# Altium PCB Thunderscope_Rev2.PCBDOC (part 4 of 6) (continued)
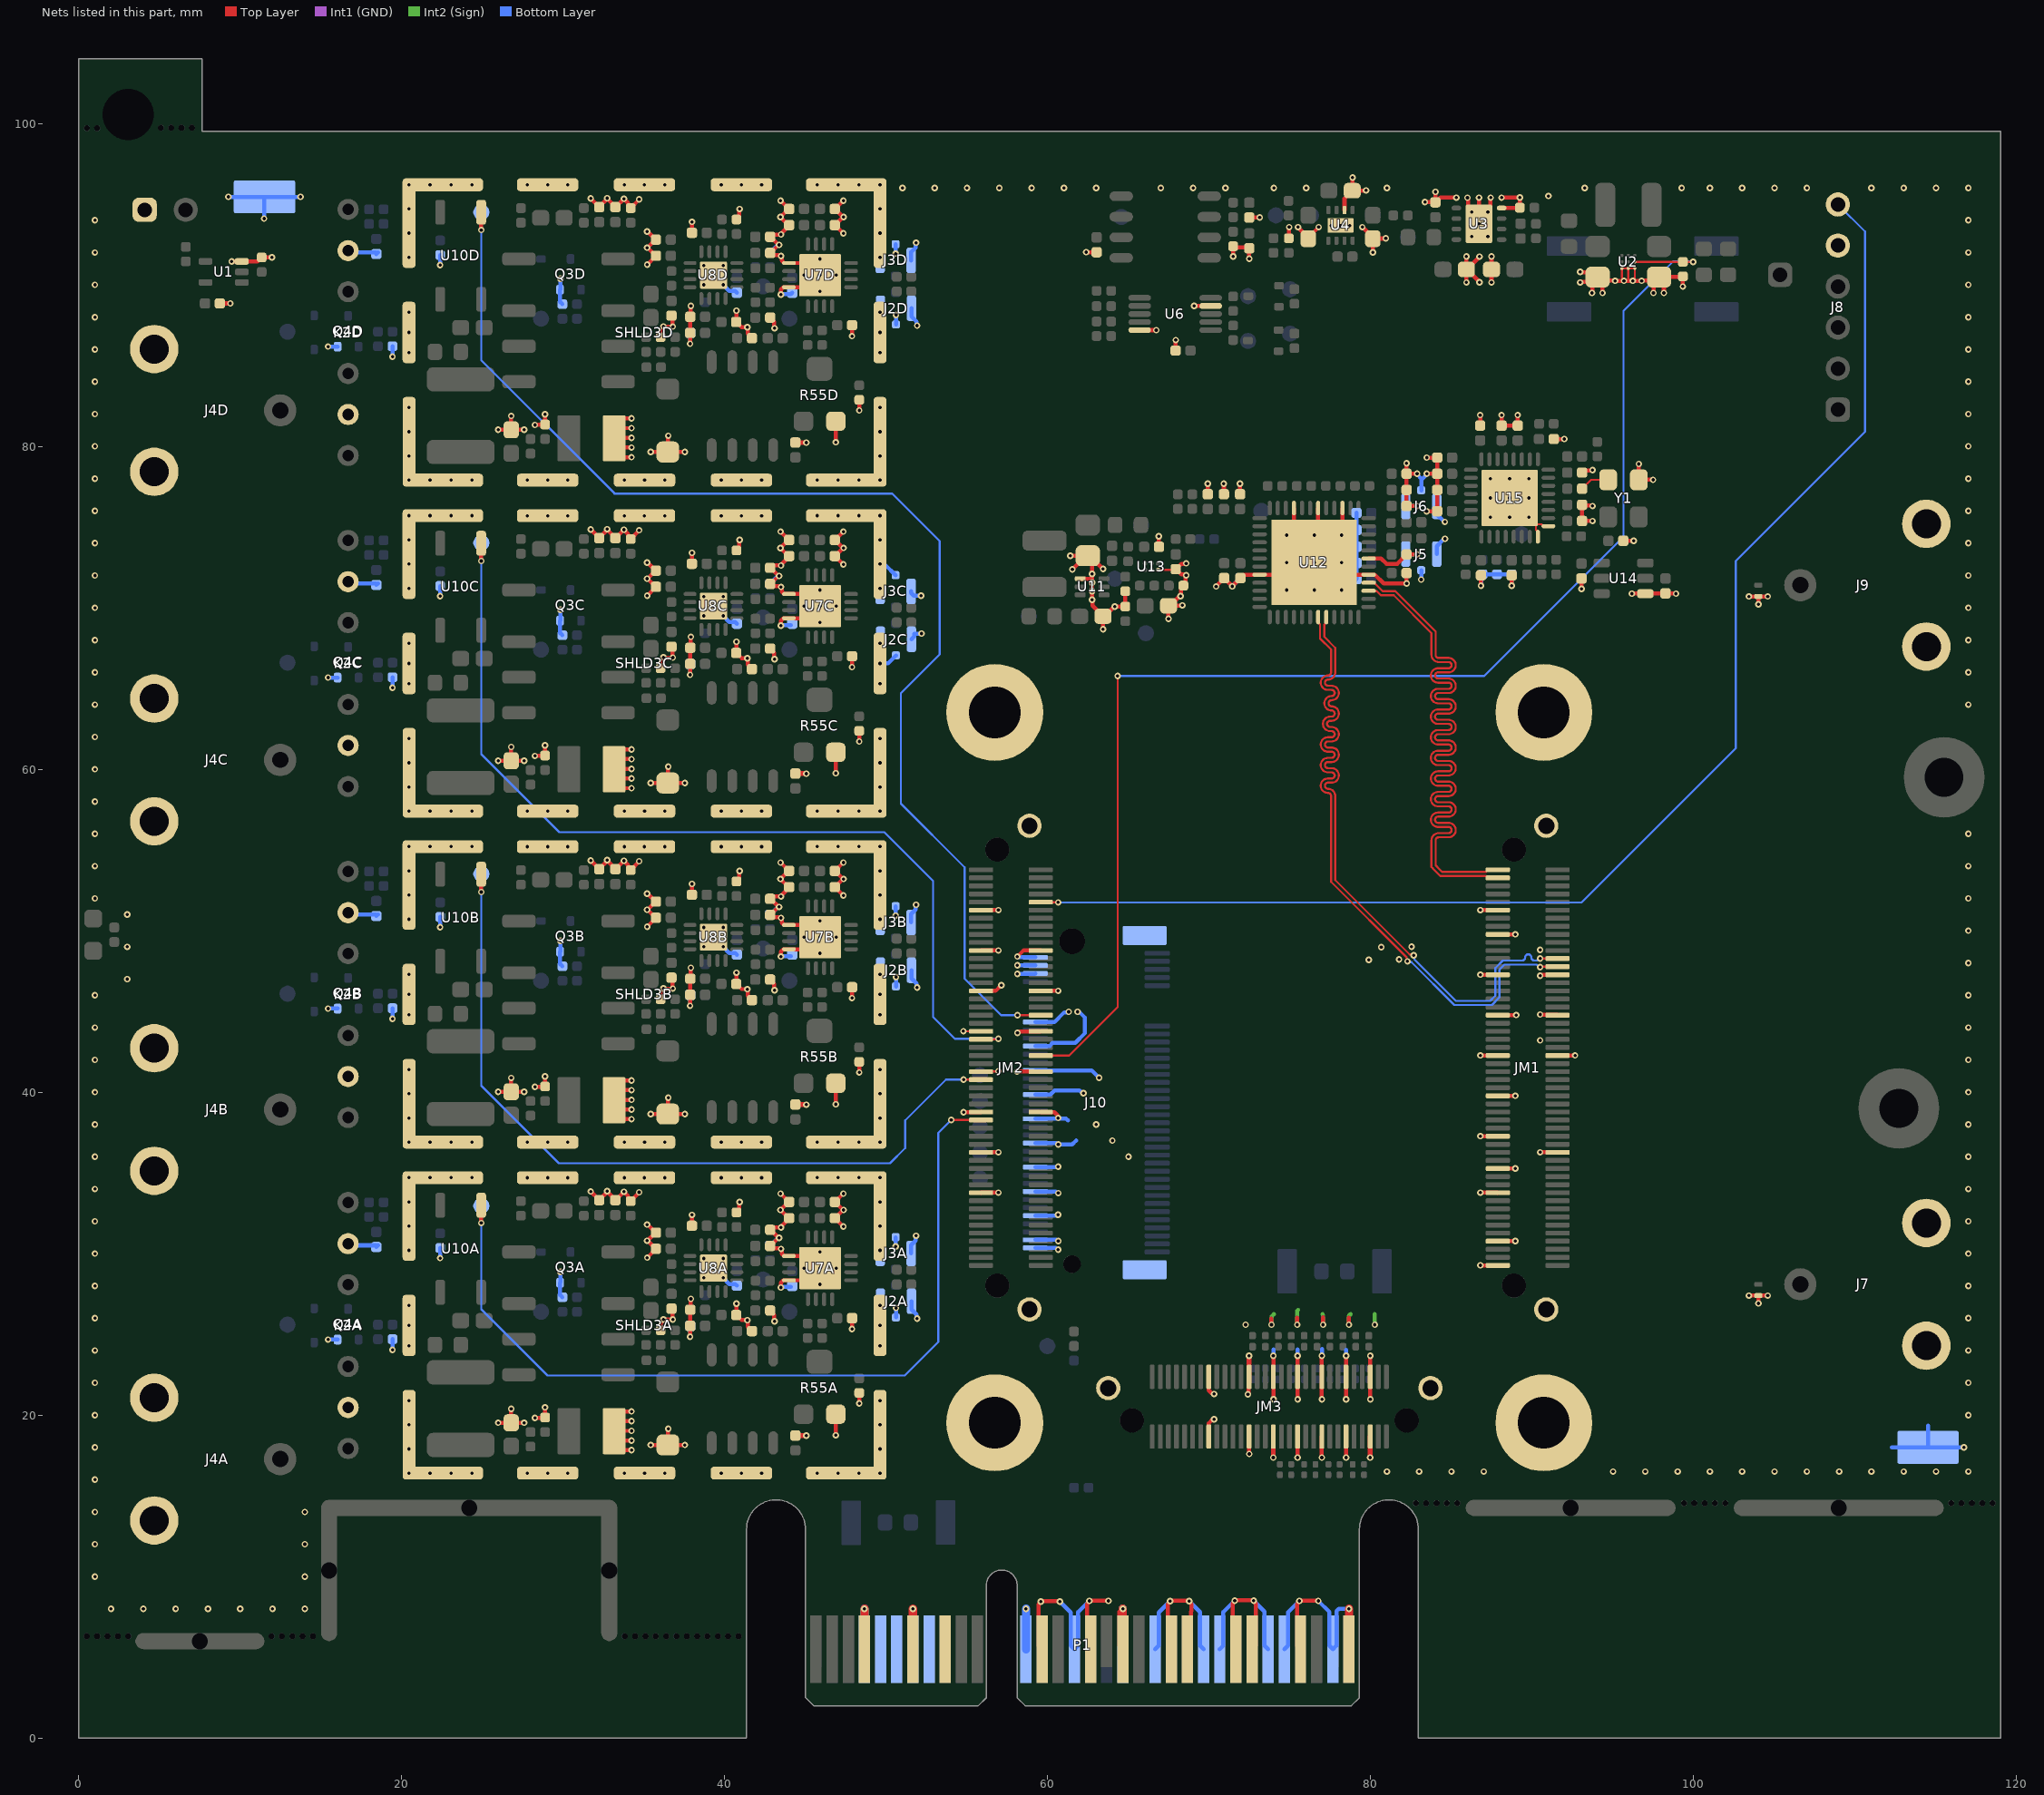
[diagram p8: the nets of this part, all layers, seen from the top]
## Nets (pads, with @x,y where several pads share a name; then routed paths per layer and width w, separated by ;. In a path a pad name is that pad's centre, name@x,y a point inside that pad or via, vN(x,y) a via of type N, cw(c..) or ccw(c..) an arc to the next point about the centre after c; other vN are vias at no path point) (continued)
  Top Layer w0.254: C1.2@8.735,88.85 v1(9.385,88.85) ; v1(9.472,91.45) U1.3@10.1,91.45 11.063,91.45 11.313,91.7 R2.1@11.325,91.7 v1(11.955,91.7) ; v1(20.45,25.55) SHLD3A.1@20.45,25.575 ; v1(20.45,46.05) SHLD3B.1@20.45,46.075 ; v1(20.45,66.55) SHLD3C.1@20.45,66.575 ; v1(20.45,87.05) SHLD3D.1@20.45,87.075 ; v1(25.97,19.525) C101A.2@26.775,19.525 ; v1(25.97,40.025) C101B.2@26.775,40.025 ; v1(25.97,60.525) C101C.2@26.775,60.525 ; v1(25.97,81.025) C101D.2@26.775,81.025 ; v1(26.775,20.38) C101A.2@26.775,19.525 ; v1(26.775,40.88) C101B.2@26.775,40.025 ; v1(26.775,61.38) C101C.2@26.775,60.525 ; v1(26.775,81.88) C101D.2@26.775,81.025 ; v1(27.58,19.525) C101A.2@26.775,19.525 ; v1(27.58,40.025) C101B.2@26.775,40.025 ; v1(27.58,60.525) C101C.2@26.775,60.525 ; v1(27.58,81.025) C101D.2@26.775,81.025 ; v1(28.245,19.825) 28.257,19.837 28.862,19.837 R100A.1@28.875,19.85 v1(28.875,20.48) ; v1(28.245,40.325) 28.257,40.337 28.863,40.337 R100B.1@28.875,40.35 v1(28.875,40.98) ; v1(28.245,60.825) 28.257,60.837 28.863,60.837 R100C.1@28.875,60.85 v1(28.875,61.48) ; v1(28.245,81.325) 28.257,81.338 28.863,81.338 R100D.1@28.875,81.35 v1(28.875,81.98) ; v1(35.419,18.15) C18A.2@36.475,18.15 ; v1(35.419,38.65) C18B.2@36.475,38.65 ; v1(35.419,59.15) C18C.2@36.475,59.15 ; v1(35.419,79.65) C18D.2@36.475,79.65 ; v1(36.5,19.156) 36.487,19.143 36.487,18.162 C18A.2@36.475,18.15 ; v1(36.5,39.656) 36.487,39.643 36.487,38.662 C18B.2@36.475,38.65 ; v1(36.5,60.156) 36.487,60.143 36.487,59.163 C18C.2@36.475,59.15 ; v1(36.5,80.656) 36.487,80.643 36.487,79.663 C18D.2@36.475,79.65 ; v1(37.531,18.15) C18A.2@36.475,18.15 ; v1(37.531,38.65) C18B.2@36.475,38.65 ; v1(37.531,59.15) C18C.2@36.475,59.15 ; v1(37.531,79.65) C18D.2@36.475,79.65 ; R50A.1@40.725,32.55 40.884,32.709 40.884,33.104 40.925,33.145 v1(40.925,33.2) ; R50B.1@40.725,53.05 40.884,53.209 40.884,53.604 40.925,53.645 v1(40.925,53.7) ; R50C.1@40.725,73.55 40.884,73.709 40.884,74.104 40.925,74.145 v1(40.925,74.2) ; R50D.1@40.725,94.05 40.884,94.209 40.884,94.604 40.925,94.645 v1(40.925,94.7) ; v1(43.361,30.971) v1@43.332,30.971 ; v1(43.361,51.471) v1@43.332,51.471 ; v1(43.361,71.971) v1@43.332,71.971 ; v1(43.361,92.471) v1@43.332,92.471 ; v1(43.458,33.717) 43.465,33.717 43.982,33.2 C36A.1@43.99,33.2 43.817,33.027 43.769,33.027 v1(43.442,32.7) 43.77,32.373 43.817,32.373 C22A.1@43.99,32.2 43.99,32.182 43.524,31.717 43.524,31.712 v1@43.431,31.618 ; v1(43.458,54.217) 43.465,54.217 43.982,53.7 C36B.1@43.99,53.7 43.817,53.527 43.769,53.527 v1(43.442,53.2) 43.77,52.873 43.817,52.873 C22B.1@43.99,52.7 43.99,52.682 43.524,52.217 43.524,52.212 v1@43.431,52.118 ; v1(43.458,74.717) 43.465,74.717 43.982,74.2 C36C.1@43.99,74.2 43.817,74.027 43.769,74.027 v1(43.442,73.7) 43.77,73.373 43.817,73.373 C22C.1@43.99,73.2 43.99,73.182 43.524,72.717 43.524,72.712 v1@43.431,72.618 ; v1(43.458,95.217) 43.465,95.217 43.982,94.7 C36D.1@43.99,94.7 43.817,94.527 43.769,94.527 v1(43.442,94.2) 43.77,93.873 43.817,93.873 C22D.1@43.99,93.7 43.99,93.682 43.524,93.217 43.524,93.212 v1@43.431,93.118 ; v1(43.485,30.291) 43.446,30.33 42.955,30.33 C24A.1@42.81,30.475 42.828,30.475 43.324,30.971 v1@43.332,30.971 ; v1(43.485,50.791) 43.446,50.83 42.955,50.83 C24B.1@42.81,50.975 42.828,50.975 43.324,51.471 v1@43.332,51.471 ; v1(43.485,71.291) 43.446,71.33 42.955,71.33 C24C.1@42.81,71.475 42.828,71.475 43.324,71.971 v1@43.332,71.971 ; v1(43.485,91.791) 43.446,91.83 42.955,91.83 C24D.1@42.81,91.975 42.828,91.975 43.324,92.471 v1@43.332,92.471 ; v1(43.486,31.618) v1@43.431,31.618 ; v1(43.486,52.118) v1@43.431,52.118 ; v1(43.486,72.618) v1@43.431,72.618 ; v1(43.486,93.118) v1@43.431,93.118 ; C23A.1@46.81,32.2 C23A.1@46.818,32.2 ; C25A.1@46.81,33.2 C25A.1@46.818,33.2 ; C23B.1@46.81,52.7 C23B.1@46.818,52.7 ; C25B.1@46.81,53.7 C25B.1@46.818,53.7 ; C23C.1@46.81,73.2 C23C.1@46.818,73.2 ; C25C.1@46.81,74.2 C25C.1@46.818,74.2 ; C23D.1@46.81,93.7 C23D.1@46.818,93.7 ; C25D.1@46.81,94.7 C25D.1@46.818,94.7 ; v1(46.875,18.75) R55A.3@46.875,20.05 ; v1(46.875,39.25) R55B.3@46.875,40.55 ; v1(46.875,59.75) R55C.3@46.875,61.05 ; v1(46.875,80.25) R55D.3@46.875,81.55 ; v1(47.343,31.684) 47.334,31.684 C23A.1@46.818,32.2 ; v1(47.342,33.717) 47.334,33.717 C25A.1@46.818,33.2 ; v1(47.343,52.184) 47.334,52.184 C23B.1@46.818,52.7 ; v1(47.342,54.217) 47.334,54.217 C25B.1@46.818,53.7 ; v1(47.343,72.684) 47.334,72.684 C23C.1@46.818,73.2 ; v1(47.342,74.717) 47.334,74.717 C25C.1@46.818,74.2 ; v1(47.343,93.184) 47.334,93.184 C23D.1@46.818,93.7 ; v1(47.342,95.217) 47.334,95.217 C25D.1@46.818,94.7 ; v1(47.361,32.704) v1@47.332,32.704 ; v1(47.361,53.204) v1@47.332,53.204 ; v1(47.361,73.704) v1@47.332,73.704 ; v1(47.361,94.204) v1@47.332,94.204 ; v1(47.875,25.324) 47.88,25.329 47.88,25.995 C26A.1@47.885,26 ; v1(47.875,45.824) 47.88,45.829 47.88,46.495 C26B.1@47.885,46.5 ; v1(47.875,66.324) 47.88,66.329 47.88,66.995 C26C.1@47.885,67 ; v1(47.875,86.824) 47.88,86.829 47.88,87.495 C26D.1@47.885,87.5 ; v1(48.325,20.719) R54A.1@48.325,21.375 ; v1(48.325,41.219) R54B.1@48.325,41.875 ; v1(48.325,61.719) R54C.1@48.325,62.375 ; v1(48.325,82.219) R54D.1@48.325,82.875 ; v1(54.787,38.75) 54.797,38.76 55.857,38.76 JM2.39@55.867,38.771 ; JM2.19@55.867,33.771 55.869,33.773 56.945,33.773 v1(56.947,33.775) ; JM2.29@55.867,36.271 55.869,36.273 56.945,36.273 v1(56.947,36.275) ; JM2.79@55.867,48.771 55.869,48.773 56.945,48.773 v1(56.947,48.775) ; JM2.89@55.867,51.271 55.869,51.273 56.945,51.273 v1(56.947,51.275) ; JM2.69@55.868,46.272 56.772,46.272 v1(57.125,46.625) ; v1(58.1,41.275) 58.102,41.273 59.565,41.273 JM2.50@59.567,41.271 ; v1(58.12,48.4) 58.491,48.771 JM2.80@59.567,48.771 ; v1(58.125,43.667) 58.166,43.667 58.247,43.748 59.544,43.748 JM2.60@59.567,43.771 ; JM2.40@59.567,38.771 59.59,38.748 60.422,38.748 60.618,38.552 60.618,38.429 v1(60.647,38.4) ; JM2.70@59.567,46.271 59.569,46.273 60.645,46.273 v1(60.647,46.275) ; P1.B13@59.65,5.5 59.439,5.711 59.439,8.272 59.575,8.409 v1(59.575,8.45) 59.592,8.467 60.734,8.467 v1(60.75,8.45) ; v1(61.395,73.225) C53.1@62.475,73.225 ; v1(61.525,72.375) 62.263,73.113 C53.1@62.288,73.113 ; U11.1@62.01,71.8 62.75,71.8 ; v1(62.375,92.025) 62.377,92.023 63.022,92.023 C12.2@63.025,92.02 ; P1.B16@62.65,5.5 62.439,5.711 62.439,8.317 62.575,8.453 v1(62.575,8.494) 62.592,8.511 63.734,8.511 v1(63.75,8.494) ; v1(63.425,68.67) C52.1@63.425,69.475 ; v1(63.425,72.4) 63.412,72.4 62.737,73.076 C53.1@62.624,73.076 ; 64.427,7.818 64.427,5.723 P1.B18@64.65,5.5 ; R39.1@64.8,71.025 R38.1@64.8,70.075 64.798,70.073 64.153,70.073 v1(64.152,70.072) 64.112,70.072 63.515,69.475 C52.1@63.425,69.475 ; U6.10@65.69,87.195 65.692,87.193 66.719,87.193 v1(66.721,87.192) ; v1(66.875,74.425) 66.88,74.42 66.88,73.78 C59.1@66.885,73.775 ; v1(67.475,69.32) C60.1@67.475,70.125 67.667,70.125 67.692,70.15 67.704,70.138 68.318,70.138 v1(68.33,70.15) ; C60.1@67.64,70.202 68.133,70.696 68.196,70.696 68.254,70.754 68.254,71.229 68.542,71.517 68.542,71.981 v1(68.571,72.01) 68.525,72.056 68.277,72.056 C61.1@67.943,72.39 ; P1.B21@67.65,5.5 67.439,5.711 67.439,8.306 67.575,8.443 v1(67.575,8.484) 67.592,8.5 68.734,8.5 v1(68.75,8.484) 68.75,8.443 68.886,8.306 68.886,7.854 68.873,7.84 68.873,5.723 P1.B22@68.65,5.5 ; C13.1@67.915,85.93 67.92,85.935 67.92,86.575 v1(67.925,86.58) ; C61.1@67.925,72.39 C61.1@67.943,72.39 ; v1(68.575,72.75) 68.534,72.75 68.495,72.711 68.264,72.711 C61.1@67.943,72.39 ; v1(69.06,88.7) 69.063,88.698 70.088,88.698 U6.4@70.09,88.695 ; v1(69.9,77.687) 69.904,77.683 69.904,77.04 C42.1@69.907,77.037 ; JM3.46@69.966,21.724 69.966,21.534 70.167,21.333 70.264,21.333 v1(70.293,21.304) ; JM3.45@69.968,18.672 JM3.45@69.991,18.695 ; JM3.46@69.968,22.372 JM3.46@69.991,22.349 ; JM3.45@69.975,19.2 69.975,19.498 70.187,19.71 70.264,19.71 v1(70.293,19.739) ; v1(70.427,71.319) 70.427,71.33 70.922,71.825 C50.1@70.925,71.825 ; v1(70.9,77.687) 70.904,77.683 70.904,77.076 C44.1@70.925,77.054 ; C50.1@70.925,71.84 C50.1@70.925,71.833 ; v1(71.425,71.325) v1@71.425,71.332 ; v1(71.475,91.76) R14.2@71.475,92.39 71.538,92.328 72.412,92.328 C100.1@72.475,92.265 v1(72.475,91.615) ; P1.B25@71.65,5.5 71.439,5.711 71.439,8.328 71.575,8.464 v1(71.575,8.506) 71.592,8.522 72.734,8.522 v1(72.75,8.506) 72.75,8.464 72.886,8.328 72.886,7.876 72.873,7.862 72.873,5.723 P1.B26@72.65,5.5 ; v1(71.9,77.687) 71.904,77.683 71.904,77.04 C46.1@71.907,77.037 ; v1(72.392,21.291) 72.392,21.333 72.445,21.386 72.445,22.349 JM3.36@72.468,22.372 ; JM3.35@72.468,18.672 72.471,18.668 72.471,17.595 v1(72.475,17.591) ; C14.1@72.475,94.17 72.477,94.173 73.123,94.173 v1(73.125,94.175) ; v1(73.85,25.6) 73.85,25.975 ; v1@73.968,20.982 JM3.30@73.968,22.372 v1(73.968,23.678) ; R13.1@74.926,92.884 74.938,92.897 74.938,93.563 v1(74.95,93.575) ; U12.49@75.243,74.05 U12.45@75.243,76.175 ; v1(75.45,25.6) 75.45,26.025 ; v1(75.468,17.366) JM3.23@75.468,18.672 ; v1@75.468,20.982 JM3.24@75.468,22.372 v1(75.468,23.678) ; v1(75.5,93.575) 75.5,93.555 76.126,92.929 C5.1@76.126,92.917 ; P1.B29@75.65,5.5 75.439,5.711 75.439,8.314 75.575,8.45 v1(75.575,8.492) 75.592,8.508 76.734,8.508 v1(76.75,8.492) ; C5.1@76.126,92.859 C5.1@76.126,92.917 ; U12.49@76.743,73.05 U12.42@76.743,76.175 ; v1(76.775,93.575) 76.775,93.567 C5.1@76.126,92.917 ; v1(76.968,17.366) JM3.17@76.968,18.672 ; v1@76.968,20.982 JM3.18@76.968,22.372 v1(76.968,23.678) ; v1(77.05,25.6) 77.05,26.05 ; U12.49@78.243,74.55 U12.39@78.243,76.175 ; U4.2@78.376,94.634 78.376,95.35 78.851,95.825 C11.1@78.851,95.834 C11.1@78.858,95.842 ; v1(78.468,17.366) JM3.11@78.468,18.672 ; v1@78.468,20.982 JM3.12@78.468,22.372 v1(78.468,23.678) ; v1(78.65,25.6) 78.65,26.025 ; v1(78.875,96.64) 78.863,96.627 78.863,95.847 C11.1@78.858,95.842 ; v1(79.475,93.575) 80.126,92.924 C8.1@80.126,92.859 ; v1(79.706,95.85) 79.698,95.842 C11.1@78.858,95.842 ; U12.31@79.868,73.05 80.642,73.05 80.966,72.726 81.643,72.726 C56.1@82.217,73.3 v1(82.875,73.3) ; v1@79.968,20.982 JM3.6@79.968,22.372 ; JM3.6@79.969,22.372 v1(79.969,23.675) ; v1(80.125,92.004) C8.1@80.125,92.859 ; v1(80.931,92.875) 80.923,92.867 80.133,92.867 C8.1@80.126,92.859 ; C48.1@82.217,72.3 C48.1@82.221,72.296 ; v1(82.217,78.95) C41.1@82.217,78.3 ; v1@82.221,71.504 C48.1@82.221,72.146 ; v1(82.225,71.5) 80.8,71.5 80.25,72.05 U12.29@79.868,72.05 77.243,72.05 U12.49@76.493,72.8 75.743,72.05 U12.8@73.118,72.05 72.153,72.05 71.943,71.84 C47.1@71.925,71.84 71.925,71.833 71.426,71.333 v1@71.424,71.333 ; v1(82.867,76.3) C45.1@82.217,76.3 C43.1@82.217,77.3 C41.1@82.217,78.3 ; v1(82.867,78.3) C41.1@82.217,78.3 ; v1(83.35,95.125) 83.357,95.117 83.993,95.117 C10.1@84,95.11 ; v1(83.461,75.975) 83.464,75.979 84.107,75.979 C94.2@84.111,75.982 ; v1(83.465,78.3) C86.2@84.115,78.3 ; v1(83.465,79.3) C85.2@84.115,79.3 C86.2@84.115,78.3 ; v1(84,95.76) C10.1@84,95.11 ; C94.2@84.111,75.965 C94.2@84.111,75.982 ; C87.2@84.115,77.288 C87.2@84.115,77.3 ; v1@84.56,75.348 v1(84.589,75.319) ; v1(85.3,95.4) 84.308,95.4 84.018,95.11 C10.1@84,95.11 ; v1(85.925,90.15) C6.1@85.925,90.955 ; v1(85.925,91.76) C6.1@85.925,90.955 ; v1(85.989,95.398) 86.018,95.368 86.018,94.462 U3.9@86.7,93.78 ; v1(86.25,93) U3.9@86.325,92.925 ; v1(86.7,95.4) U3.9@86.7,93.78 ; v1(86.725,90.16) 86.725,90.182 C6.1@85.952,90.955 ; v1(86.725,91.75) 86.725,91.728 C6.1@85.952,90.955 ; C84.2@86.775,81.285 v1(86.775,81.935) ; v1(86.787,29.275) 86.789,29.273 JM1.1@87.867,29.271 JM1.1@87.867,29.271 ; v1(86.787,33.775) 86.789,33.773 87.865,33.773 JM1.19@87.867,33.771 ; v1(86.787,37.275) 86.789,37.273 87.865,37.273 JM1.33@87.867,37.271 ; v1(86.787,42.275) 86.789,42.273 87.865,42.273 JM1.53@87.867,42.271 ; v1(86.787,47.275) 86.789,47.273 87.865,47.273 JM1.73@87.867,47.271 ; v1(86.787,51.275) 86.789,51.273 87.865,51.273 JM1.89@87.867,51.271 ; v1(86.825,71.365) C88.2@86.825,72.015 ; U3.9@87.15,92.9 v1(87.25,93) ; v1(87.425,95.4) 87.425,95.359 87.393,95.327 87.393,94.473 U3.9@86.7,93.78 ; v1(87.475,90.15) C7.1@87.475,90.955 v1(87.475,91.76) ; JM1.7@87.867,30.771 87.869,30.773 88.945,30.773 v1(88.947,30.775) ; JM1.25@87.867,35.271 87.869,35.273 88.945,35.273 v1(88.947,35.275) ; JM1.43@87.867,39.771 87.869,39.773 88.945,39.773 v1(88.947,39.775) ; JM1.63@87.867,44.771 87.869,44.773 88.998,44.773 v1(89,44.775) ; JM1.83@87.867,49.771 87.869,49.773 88.945,49.773 v1(88.947,49.775) ; v1(88.1,81.935) C83.2@88.1,81.285 C82.2@89.1,81.285 v1(89.1,81.935) ; U3.4@88.1,94.755 88.109,94.764 89.209,94.764 R12.1@89.225,94.78 v1(89.225,95.41) ; v1(88.1,95.4) 88.11,95.41 v1(89.225,95.41) ; v1(88.725,71.365) C90.2@88.725,72.015 ; v1(90.487,36.275) 90.489,36.273 91.565,36.273 JM1.30@91.567,36.271 ; v1(90.487,44.808) 90.506,44.79 91.548,44.79 JM1.64@91.567,44.771 ; v1(90.487,47.206) 90.528,47.206 90.593,47.271 JM1.74@91.567,47.271 ; C93.2@91.335,80.45 v1(91.985,80.45) ; JM1.54@91.567,42.271 91.569,42.273 92.645,42.273 v1(92.647,42.275) ; v1(92.97,90.15) 92.999,90.179 93.748,90.179 C3.1@93.751,90.176 ; v1(92.97,90.8) 92.999,90.771 93.698,90.771 C3.1@93.726,90.799 ; v1(93.05,71.165) C92.1@93.05,71.815 ; C97.2@93.085,78.375 93.206,78.496 93.706,78.496 v1(93.735,78.525) ; v1@93.726,89.521 C3.1@93.726,90.151 ; v1(93.735,75.375) C95.2@93.085,75.375 C99.2@93.085,76.375 93.131,76.329 93.706,76.329 v1(93.735,76.3) ; C3.1@94.05,90.475 94.246,90.279 95.101,90.279 v1(95.13,90.25) v1(95.675,90.25) 95.95,90.25 v1(96.225,90.25) v1(96.77,90.25) 96.78,90.26 C2.1@97.635,90.26 ; v1@94.349,89.496 C3.1@94.349,90.176 ; C89.2@95.635,74.15 v1(96.285,74.15) ; v1(96.17,70.875) U14.4@97,70.875 97.007,70.883 98.242,70.883 C91.1@98.25,70.89 ; v1(96.6,78.905) Y1.2@96.6,77.925 v1(97.48,77.925) ; v1(97.5,89.495) 97.526,89.521 97.526,90.151 C2.1@97.635,90.26 ; v1(98.15,89.495) 98.149,89.496 98.149,90.176 C2.1@97.85,90.475 ; C91.1@98.265,70.875 98.273,70.883 98.893,70.883 v1(98.9,70.875) ; v1(99.325,89.895) R6.2@99.325,90.525 99.3,90.5 97.875,90.5 C2.1@97.85,90.475 ; v1(103.42,27.4) D4.2@104,27.4 ; v1(103.42,70.7) D5.2@104,70.7 ; v1(104,26.92) D4.2@104,27.4 ; v1(104,70.22) D5.2@104,70.7 ; v1(104.58,27.4) D4.2@104,27.4 ; v1(104.58,70.7) D5.2@104,70.7 ; v1@43.332,30.971 42.828,31.475 C33A.2@42.81,31.475 42.953,31.618 v1@43.431,31.618 ; v1@43.332,51.471 42.828,51.975 C33B.2@42.81,51.975 42.953,52.118 v1@43.431,52.118 ; v1@43.332,71.971 42.828,72.475 C33C.2@42.81,72.475 42.953,72.618 v1@43.431,72.618 ; v1@43.332,92.471 42.828,92.975 C33D.2@42.81,92.975 42.953,93.118 v1@43.431,93.118 ; C23A.1@46.818,32.2 46.828,32.2 v1@47.332,32.704 ; C25A.1@46.818,33.2 46.828,33.2 47.324,32.704 v1@47.332,32.704 ; C23B.1@46.818,52.7 46.828,52.7 v1@47.332,53.204 ; C25B.1@46.818,53.7 46.828,53.7 47.324,53.204 v1@47.332,53.204 ; C23C.1@46.818,73.2 46.828,73.2 v1@47.332,73.704 ; C25C.1@46.818,74.2 46.828,74.2 47.324,73.704 v1@47.332,73.704 ; C23D.1@46.818,93.7 46.828,93.7 v1@47.332,94.204 ; C25D.1@46.818,94.7 46.828,94.7 47.324,94.204 v1@47.332,94.204 ; C53.1@62.475,73.225 C53.1@62.624,73.076 ; C53.1@62.475,73.225 62.326,73.076 C53.1@62.624,73.076 ; C53.1@62.624,73.076 62.75,72.95 v1(62.75,72.1) 62.75,71.8 ; 62.75,71.8 v1(62.75,71.567) v1(62.75,71.033) v1(62.75,70.5) 62.779,70.471 62.779,70.131 63.425,69.485 C52.1@63.425,69.475 ; C50.1@70.925,71.833 v1@71.424,71.333 ; C50.1@70.925,71.833 v1@71.425,71.332 ; C94.2@84.111,75.982 84.113,75.985 84.113,77.298 C87.2@84.115,77.3 ; C87.2@84.115,77.3 C86.2@84.115,78.3 ; C6.1@85.925,90.955 C6.1@85.952,90.955 ; C2.1@97.635,90.26 C2.1@97.85,90.475
  Top Layer w0.3: C64A.2@44.38,18.73 v1@45.046,18.73 ; C64B.2@44.38,39.23 v1@45.046,39.23 ; C64C.2@44.38,59.73 v1@45.046,59.73 ; C64D.2@44.38,80.23 v1@45.046,80.23 ; JM3.36@72.468,22.372 v1(72.468,23.678) ; v1(73.968,17.366) JM3.29@73.968,18.672 ; v1(79.968,17.366) JM3.5@79.968,18.672
  Top Layer w0.508: P1.B4@48.65,5.5 v1(48.65,8) ; P1.B7@51.65,5.5 v1(51.65,8) ; P1.B18@64.65,5.5 v1(64.65,8) ; P1.B32@78.65,5.5 v1(78.65,8)
  Int1 (GND) w0.254: v1@43.458,33.717 v1@43.475,33.7 ; v1@43.458,54.217 v1@43.475,54.2 ; v1@43.458,74.717 v1@43.475,74.7 ; v1@43.458,95.217 v1@43.475,95.2 ; v1@47.3,31.725 47.341,31.684 v1(47.343,31.684) ; v1@47.3,52.225 47.341,52.184 v1(47.343,52.184) ; v1@47.3,72.725 47.341,72.684 v1(47.343,72.684) ; v1@47.3,93.225 47.341,93.184 v1(47.343,93.184)
  Int2 (Sign) w0.254: v1(73.85,25.6) 73.879,25.629 73.879,26.129 74,26.25 ; v1(75.45,25.6) 75.45,26.45 75.5,26.5 ; 77,26.25 77.05,26.2 v1(77.05,25.6) ; v1@78.645,25.605 78.645,26.145 78.75,26.25 ; v1(80.25,25.6) 80.25,26.25 ; v1@96.2,74.15 v1(96.285,74.15) ; v1@96.6,78.825 v1(96.6,78.905)
  Bottom Layer w0.254: v1(9.27,95.45) TP6.1@11.5,95.45 ; v1(11.475,94.105) 11.475,95.425 TP6.1@11.5,95.45 ; v1(13.73,95.45) TP6.1@11.5,95.45 ; v1(15.434,24.675) Q4A.3@16.025,24.675 ; v1(15.434,45.175) Q4B.3@16.025,45.175 ; v1(15.434,65.675) Q4C.3@16.025,65.675 ; v1(15.434,86.175) Q4D.3@16.025,86.175 ; K2A.6@16.675,30.614 16.573,30.512 L3A.2@18.425,30.512 ; K2B.6@16.675,51.114 16.573,51.012 L3B.2@18.425,51.012 ; K2C.6@16.675,71.614 16.573,71.512 L3C.2@18.425,71.512 ; K2D.6@16.675,92.114 16.573,92.012 L3D.2@18.425,92.012 ; L3A.2@18.425,30.41 L3A.2@18.527,30.512 ; L3B.2@18.425,50.91 L3B.2@18.527,51.012 ; L3C.2@18.425,71.41 L3C.2@18.527,71.512 ; L3D.2@18.425,91.91 L3D.2@18.527,92.012 ; v1(19.425,24.044) R98A.1@19.425,24.7 ; v1(19.425,44.544) R98B.1@19.425,45.2 ; v1(19.425,65.044) R98C.1@19.425,65.7 ; v1(19.425,85.544) R98D.1@19.425,86.2 ; v1(22.375,29.72) R35A.1@22.375,30.35 ; v1(22.375,50.22) R35B.1@22.375,50.85 ; v1(22.375,70.72) R35C.1@22.375,71.35 ; v1(22.375,91.22) R35D.1@22.375,91.85 ; v1(29.825,28.875) 29.812,28.862 29.812,28.213 Q3A.3@29.8,28.2 29.8,27.45 R28A.1@29.95,27.3 ; v1(29.825,49.375) 29.812,49.362 29.812,48.713 Q3B.3@29.8,48.7 29.8,47.95 R28B.1@29.95,47.8 ; v1(29.825,69.875) 29.812,69.862 29.812,69.213 Q3C.3@29.8,69.2 29.8,68.45 R28C.1@29.95,68.3 ; v1(29.825,90.375) 29.812,90.362 29.812,89.713 Q3D.3@29.8,89.7 29.8,88.95 R28D.1@29.95,88.8 ; v1(37.85,24.849) 37.858,24.857 37.858,25.517 C78A.1@37.865,25.525 ; v1(37.85,45.349) 37.858,45.357 37.858,46.017 C78B.1@37.865,46.025 ; v1(37.85,65.849) 37.858,65.857 37.858,66.517 C78C.1@37.865,66.525 ; v1(37.85,86.349) 37.858,86.357 37.858,87.017 C78D.1@37.865,87.025 ; v1(39.9,28.5) 40.281,28.119 40.646,28.119 C63A.2@40.75,28.015 ; v1(39.9,49) 40.281,48.619 40.646,48.619 C63B.2@40.75,48.515 ; v1(39.9,69.5) 40.281,69.119 40.646,69.119 C63C.2@40.75,69.015 ; v1(39.9,90) 40.281,89.619 40.646,89.619 C63D.2@40.75,89.515 ; R53A.1@42.8,30.5 42.812,30.5 43.245,30.932 43.322,30.932 v1(43.361,30.971) ; R53B.1@42.8,51 42.812,51 43.245,51.432 43.322,51.432 v1(43.361,51.471) ; R53C.1@42.8,71.5 42.812,71.5 43.245,71.932 43.322,71.932 v1(43.361,71.971) ; R53D.1@42.8,92 42.812,92 43.245,92.432 43.322,92.432 v1(43.361,92.471) ; v1(43.475,89.4) 43.504,89.429 44.089,89.429 C102D.2@44.175,89.515 ; v1@43.504,27.929 C102A.2@44.089,27.929 ; v1@43.504,48.429 C102B.2@44.089,48.429 ; v1@43.504,68.929 C102C.2@44.089,68.929 ; v1(49.61,66.55) 49.628,66.568 50.118,66.568 J2C.2@50.6,67.05 ; v1(49.613,72.705) 49.642,72.676 49.921,72.676 J3C.2@50.581,72.016 ; v1@50.581,30.437 J3A.2@50.581,31.015 ; v1@50.581,50.937 J3B.2@50.581,51.515 ; v1(50.582,91.936) J3D.2@50.581,92.516 ; J2A.2@50.6,26.05 v1(50.6,26.63) ; J2B.2@50.6,46.55 v1(50.6,47.13) ; J2D.2@50.6,87.55 v1(50.6,88.13) ; J3A.2@51.541,30.016 51.541,30.526 51.818,30.803 51.818,31.079 v1(51.847,31.108) ; J3B.2@51.541,50.516 51.541,51.026 51.818,51.303 51.818,51.579 v1(51.847,51.608) ; J3C.2@51.541,71.016 51.541,70.912 51.702,70.75 v1(52.161,70.75) ; J3D.2@51.541,91.516 51.541,92.026 51.818,92.303 51.818,92.579 v1(51.847,92.608) ; J2A.2@51.56,27.05 51.56,26.54 51.875,26.225 51.875,26.053 51.91,26.018 v1(51.91,25.976) ; J2B.2@51.56,47.55 51.56,47.04 51.875,46.725 51.875,46.553 51.91,46.518 v1(51.91,46.476) ; J2C.2@51.56,68.05 51.722,68.212 51.722,68.4 v1(52.18,68.4) ; J2D.2@51.56,88.55 51.56,88.04 51.875,87.725 51.875,87.553 51.91,87.518 v1(51.91,87.476) ; v1(58.12,47.317) 58.137,47.333 59.208,47.333 J10.70@59.225,47.35 ; v1(58.12,47.85) J10.72@59.225,47.85 ; v1(58.12,48.4) 58.145,48.375 59.2,48.375 J10.74@59.225,48.35 ; J10.2@59.225,30.35 60.498,30.35 60.606,30.242 v1(60.647,30.242) ; J10.4@59.225,30.85 60.534,30.85 60.609,30.775 v1(60.65,30.775) ; J10.10@59.225,32.35 60.54,32.35 60.603,32.412 v1(60.644,32.412) ; J10.16@59.225,33.85 60.508,33.85 60.612,33.746 v1(60.653,33.746) ; J10.22@59.225,35.35 59.242,35.367 60.63,35.367 v1(60.647,35.383) ; J10.28@59.225,36.85 60.525,36.85 60.612,36.763 v1(60.653,36.763) 61.513,36.763 61.75,37 ; J10.34@59.225,38.35 60.556,38.35 60.606,38.4 v1(60.647,38.4) 60.676,38.371 61.129,38.371 61.25,38.25 ; J10.40@59.225,39.85 60.164,39.85 60.426,40.113 61.97,40.113 62.072,40.01 62.098,40.01 62.175,39.934 v1(62.216,39.934) ; J10.46@59.225,41.35 62.725,41.35 v1(63.178,40.897) ; J10.52@59.225,42.85 59.244,42.869 60.119,42.869 60.3,43.05 61.7,43.05 62.307,43.657 62.307,44.614 61.976,44.946 61.879,44.946 v1(61.85,44.975) ; J10.58@59.225,44.35 60.425,44.35 61.021,44.946 61.271,44.946 v1(61.3,44.975) ; v1(60.75,8.45) 61.427,7.773 61.427,5.723 P1.A15@61.65,5.5 61.873,5.723 61.873,7.792 v1(62.575,8.494) ; P1.A20@66.65,5.5 66.873,5.723 66.873,7.782 v1(67.575,8.484) ; v1(68.75,8.484) 69.427,7.807 69.427,5.723 P1.A23@69.65,5.5 ; P1.A24@70.65,5.5 70.873,5.723 70.873,7.804 v1(71.575,8.506) ; v1(71.425,71.325) 71.425,71.338 71.925,71.838 R46.2@71.925,71.85 ; v1(72.75,8.506) 73.427,7.829 73.427,5.723 P1.A27@73.65,5.5 ; v1(73.968,23.678) 73.975,23.685 73.975,24.075 ; P1.A28@74.65,5.5 74.873,5.723 74.873,7.789 v1(75.575,8.492) ; v1(75.468,23.678) 75.475,23.685 75.475,24.075 ; v1(76.75,8.492) 77.427,7.815 77.427,5.723 P1.A31@77.65,5.5 77.873,5.723 77.873,7.851 78.022,8 v1(78.65,8) ; v1(76.968,23.678) 76.975,23.685 76.975,24.1 ; v1(78.2,71.1) 78.229,71.129 78.469,71.129 C49.1@79.115,71.775 C55.1@79.115,72.775 ; v1(78.2,72.8) 78.213,72.787 79.103,72.787 C55.1@79.115,72.775 ; v1(78.2,74.5) 78.241,74.5 78.414,74.673 78.963,74.673 C57.1@79.115,74.825 ; v1(78.468,23.678) 78.475,23.685 78.475,24.025 ; C58.1@79.115,75.875 C57.1@79.115,74.825 ; J5.2@82.165,73.325 82.19,73.3 v1(82.875,73.3) ; J6.2@82.165,76.275 82.19,76.3 v1(82.867,76.3) ; v1(82.867,78.3) 82.867,78.259 83.125,78.001 83.125,77.919 ; v1(83.125,71.745) J5.2@83.125,72.325 ; J6.2@83.125,77.275 83.125,77.919 ; v1(83.465,78.3) 83.465,78.259 83.125,77.919 ; J5.2@84.085,73.325 84.085,73.815 84.515,74.245 84.566,74.245 v1(84.595,74.274) ; J6.2@84.085,76.275 84.085,75.785 84.551,75.319 v1(84.589,75.319) ; v1(86.825,71.365) 86.854,71.394 86.854,72.004 R94.1@86.925,72.075 R93.1@87.825,72.075 R92.1@88.725,72.075 v1(88.725,71.365) ; 112.27,18 TP5.1@114.5,18 ; 114.5,19.345 114.5,18.025 114.512,18.012 TP5.1@114.5,18 ; v1(116.73,18) TP5.1@114.5,18 ; C55.1@79.115,72.775 C54.1@79.115,73.775 C57.1@79.115,74.825
  Bottom Layer w0.508: P1.A4@48.65,5.5 v1(48.65,8) ; P1.A12@58.65,5.5 v1(58.65,8) ; P1.A18@64.65,5.5 v1(64.65,8)
  other v1: 2,8 4,8 6,8 8,8 10,8 12,8 14,8 1,10 14,10 1,12 14,12 1,14 14,14 1,16 20.45,16.4 21.75,16.4 23.05,16.4 24.35,16.4 27.783,16.405 29.033,16.405 30.283,16.405 33.783,16.405 35.033,16.405 36.283,16.405 39.783,16.405 41.033,16.405 42.283,16.405 45.715,16.4 47.015,16.4 48.315,16.4 49.615,16.4 81,16.5 83,16.5 85,16.5 87,16.5 95,16.5 97,16.5 99,16.5 101,16.5 103,16.5 105,16.5 107,16.5 109,16.5 111,16.5 113,16.5 115,16.5 117,16.5 20.45,17.9 49.615,17.9 1,18 20.45,19.4 49.615,19.4 1,20 117,20 20.45,20.9 49.615,20.9 73.975,20.975 75.475,20.975 76.975,20.975 78.475,20.975 79.975,20.975 1,22 117,22 1,24 117,24 20.45,24.3 49.61,24.3 49.61,25.55 72.25,25.6 36.2,25.925 1,26 117,26 20.45,26.8 49.61,26.8 1,28 117,28 45.9,28.1 38.7,28.5 39.3,29.1 44.9,29.1 46.9,29.1 38.7,29.7 39.9,29.7 1,30 117,30 45.9,30.1 20.448,30.205 49.613,30.205 50.582,30.436 20.448,31.705 49.613,31.705 35.192,31.8 1,32 117,32 20.448,33.205 49.613,33.205 1,34 117,34 27.78,34.7 29.03,34.7 30.28,34.7 33.78,34.7 35.03,34.7 36.28,34.7 39.78,34.7 41.03,34.7 42.28,34.7 20.448,34.705 21.748,34.705 23.048,34.705 24.348,34.705 45.713,34.705 47.013,34.705 48.313,34.705 49.613,34.705 1,36 65,36 117,36 20.45,36.9 21.75,36.9 23.05,36.9 24.35,36.9 27.783,36.905 29.033,36.905 30.283,36.905 33.783,36.905 35.033,36.905 36.283,36.905 39.783,36.905 41.033,36.905 42.283,36.905 45.715,36.9 47.015,36.9 48.315,36.9 49.615,36.9 64,37 1,38 63,38 117,38 20.45,38.4 49.615,38.4 20.45,39.9 49.615,39.9 1,40 117,40 56.947,41.3 20.45,41.4 49.615,41.4 1,42 117,42 90.487,43.208 1,44 117,44 20.45,44.8 49.61,44.8 1,46 117,46 49.61,46.05 36.2,46.425 3,47 20.45,47.3 49.61,47.3 117,48 79.873,48.198 81.75,48.225 45.9,48.6 90.487,48.806 80.65,48.975 3,49 38.7,49 82.527,49.002 39.3,49.6 44.9,49.6 46.9,49.6 117,50 38.7,50.2 39.9,50.2 45.9,50.6 20.448,50.705 49.613,50.705 50.582,50.936 3,51 1,52 117,52 20.448,52.205 49.613,52.205 35.192,52.3 20.448,53.705 49.613,53.705 1,54 117,54 27.78,55.2 29.03,55.2 30.28,55.2 33.78,55.2 35.03,55.2 36.28,55.2 39.78,55.2 41.03,55.2 42.28,55.2 20.448,55.205 21.748,55.205 23.048,55.205 24.348,55.205 45.713,55.205 47.013,55.205 48.313,55.205 49.613,55.205 1,56 117,56 20.45,57.4 21.75,57.4 23.05,57.4 24.35,57.4 27.783,57.405 29.033,57.405 30.283,57.405 33.783,57.405 35.033,57.405 36.283,57.405 39.783,57.405 41.033,57.405 42.283,57.405 45.715,57.4 47.015,57.4 48.315,57.4 49.615,57.4 1,58 20.45,58.9 49.615,58.9 1,60 20.45,60.4 49.615,60.4 20.45,61.9 49.615,61.9 1,62 1,64 117,64 20.45,65.3 49.61,65.3 1,66 117,66 36.2,66.925 20.45,67.8 49.61,67.8 1,68 117,68 45.9,69.1 38.7,69.5 1,70 117,70 39.3,70.1 44.9,70.1 46.9,70.1 38.7,70.7 39.9,70.7 68.225,70.725 45.9,71.1 74.8,71.1 76.5,71.1 20.448,71.205 49.613,71.205 1,72 117,72 20.448,72.705 35.192,72.8 74.8,72.8 76.5,72.8 1,74 117,74 20.448,74.205 49.613,74.205 74.8,74.5 76.5,74.5 87.4,75.6 88.6,75.6 89.8,75.6 20.448,75.705 21.748,75.705 23.048,75.705 24.348,75.705 27.78,75.7 29.03,75.7 30.28,75.7 33.78,75.7 35.03,75.7 36.28,75.7 39.78,75.7 41.03,75.7 42.28,75.7 45.713,75.705 47.013,75.705 48.313,75.705 49.613,75.705 1,76 117,76 87.4,76.8 89.8,76.8 20.45,77.9 21.75,77.9 23.05,77.9 24.35,77.9 27.783,77.905 29.033,77.905 30.283,77.905 33.783,77.905 35.033,77.905 36.283,77.905 39.783,77.905 41.033,77.905 42.283,77.905 45.715,77.9 47.015,77.9 48.315,77.9 49.615,77.9 1,78 87.4,78 88.6,78 89.8,78 117,78 20.45,79.4 49.615,79.4 1,80 117,80 20.45,80.9 49.615,80.9 1,82 117,82 20.45,82.4 49.615,82.4 1,84 117,84 20.45,85.8 49.61,85.8 1,86 117,86 49.61,87.05 36.2,87.425 1,88 117,88 20.45,88.3 49.61,88.3 93.7,89.495 94.35,89.495 45.9,89.6 1,90 38.7,90 117,90 39.3,90.6 44.9,90.6 46.9,90.6 38.7,91.2 39.9,91.2 45.9,91.6 20.448,91.705 49.613,91.705 1,92 117,92 20.448,93.205 49.613,93.205 35.192,93.3 77.55,93.675 78.125,93.675 78.7,93.675 86.7,93.785 1,94 117,94 86.25,94.5 87.25,94.5 20.448,94.705 49.613,94.705 91,95.5 51,96 53,96 55,96 57,96 59,96 61,96 63,96 67,96 69,96 71,96 74,96 76,96 81,96 93.25,96 99.25,96 101,96 103,96 105,96 107,96 111,96 113,96 115,96 117,96 20.448,96.205 21.748,96.205 23.048,96.205 24.348,96.205 27.78,96.2 29.03,96.2 30.28,96.2 33.78,96.2 35.03,96.2 36.28,96.2 39.78,96.2 41.03,96.2 42.28,96.2 45.713,96.205 47.013,96.205 48.313,96.205 49.613,96.205
INTREF: C98.2 Y1.3 | length 1.8
  Top Layer w0.127: C98.2@93.085,77.375 93.635,77.925 Y1.3@94.7,77.925
JTAG1: P1.B9
JTAG2: P1.A5
JTAG3: P1.A6
JTAG4: P1.A7
JTAG5: P1.A8
JTAG_VREF: J8.6 JM2.92 | length 84.7
  Top Layer w0.127: JM2.92@59.567,51.771 59.577,51.76 60.637,51.76 v1(60.647,51.75)
  Bottom Layer w0.127: v1(60.647,51.75) 93.05,51.75 102.6,61.3 102.6,72.9 110.6,80.9 110.6,93.3 J8.6@108.925,94.975